# Altium PCB MB1312.PcbDoc (part 3 of 4) (continued)
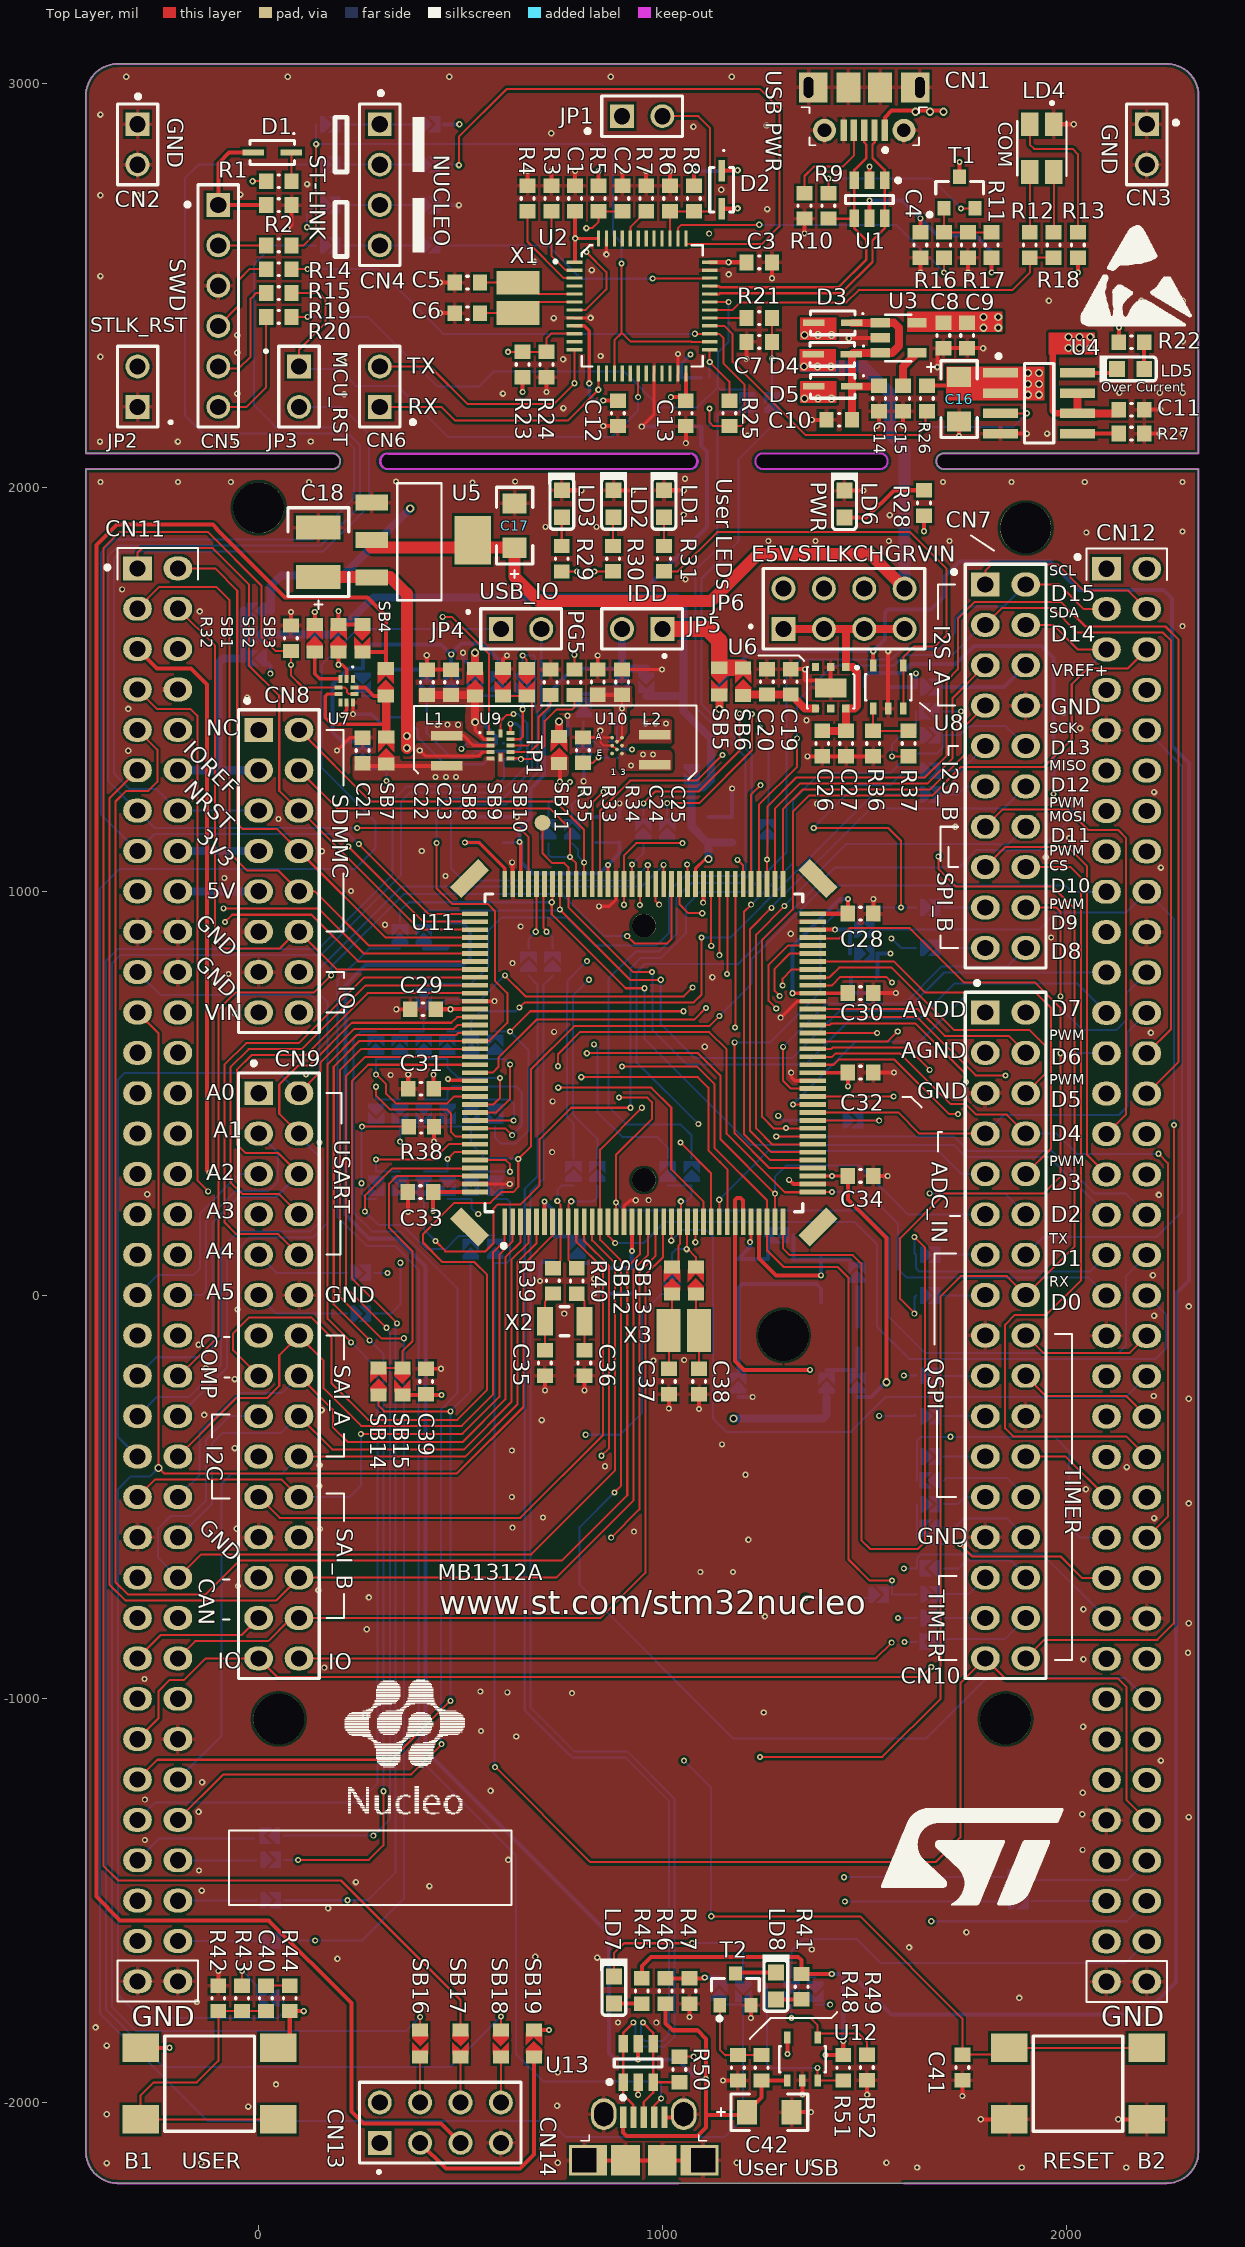
[diagram p0: Top Layer view]
## Nets (pads, with @x,y where several pads share a name; then routed paths per layer and width w, separated by ;. In a path a pad name is that pad's centre, name@x,y a point inside that pad or via, vN(x,y) a via of type N, cw(c..) or ccw(c..) an arc to the next point about the centre after c; other vN are vias at no path point) (continued)
PC11: CN8.8 CN11.2 U11.112 | length 1452.5
  Top Layer w5: CN11.2@-200,1800 -108,1800 -53,1745 -53,1168 -39,1154 46,1154 CN8.8@100,1100 314.57,885.43 U11.112@535.69,885.43
PC12: CN8.10 CN11.3 U11.113 | length 1592.7
  Top Layer w5: CN11.3@-300,1700 -246,1754 -105,1754 -72,1721 -72,1095 -29,1052 48,1052 CN8.10@100,1000 139,1000 273.25,865.75 U11.113@535.69,865.75
PC13: CN11.23 SB197.1 U11.7 | length 4466.9
  Top Layer w5: CN11.23@-300,700 -248,648 v3(-248,-428) -234,-442 -223.34,-442 ; -223.31,-442.03 -176.69,-442.03 ; -176.66,-442 -23.34,-442 ; -23.31,-442.03 23.31,-442.03 ; 23.34,-442 63.21,-442 ; 63.24,-442.03 491.18,-442.03 656,-277.21 656,75 727.62,146.62 U11.7@727.62,181.69
  Bottom Layer w5: v3(-248,-428) -269,-449 -317,-449 -348.46,-480.46 -348.46,-1733.54 -291,-1791 47,-1791 61.75,-1776.25 SB197.1@61.75,-1741
PC14: R39.2 SB145.1 U11.8 | length 248.7
  Top Layer w5: R39.2@729,66.75 748.12,85.87 748.12,180.88 U11.8@747.31,181.69 747.31,224.63 v2@740,231.94
  Bottom Layer w5: v2(740,233) 740,261 750.25,271.25 SB145.1@780,271.25
PC15: R40.2 SB146.1 U11.9 | length 275.6
  Top Layer w5: v2(774.3,231.94) 766.99,224.63 U11.9@766.99,181.69 766.99,87.5 R40.2@788,66.5
  Bottom Layer w5: v2(774.3,231.94) 829.44,231.94 839,241.5 SB146.1@839,271.25
PD0: CN9.25 CN11.57 U11.114 | length 3464.1
  Top Layer w5: v1(-86.94,957.97) 148.03,957.97 259.94,846.06 U11.114@535.69,846.06
  Signal w5: v1(-86.94,957.97) -209.96,957.97 -251,916.93 -251,765 -266.5,749.5 -340.3,749.5 -397.95,691.85 -397.95,-964.05 -362,-1000 CN11.57@-300,-1000 -248,-948 -248,-873 -228,-853 -132,-853 -99,-820 -99,-738.21 -60.79,-700 CN9.25@0,-700
PD1: CN9.27 CN11.55 U11.115 | length 3119.9
  Top Layer w5: CN11.55@-300,-900 -242.03,-842.03 -42.03,-842.03 CN9.27@0,-800 ; v1@-84,924 v1(-83.46,924) -65.44,942.03 130.97,942.03 246.62,826.38 U11.115@535.69,826.38
  Signal w5: CN11.55@-300,-900 -348.03,-900 -382.95,-865.07 -382.95,603.6 -329.53,657.03 -170.97,657.03 -141,687 -141,866.46 v1(-83.46,924)
PD2: CN8.12 CN11.4 U11.116 | length 1567.6
  Top Layer w5: CN11.4@-200,1700 -108,1608 -108,879 -86.97,857.97 51.59,857.97 93.62,900 CN8.12@100,900 193.31,806.69 U11.116@535.69,806.69
PD3: CN9.10 CN11.40 U11.117 | length 1778.4
  Top Layer w5: CN9.10@100,100 49,151 -54.97,151 -85,181.03 -85,570.46 -31.24,624.22 99.13,624.22 261.92,787.01 U11.117@535.69,787.01
  Signal w5: CN11.40@-200,-100 -94,6 -94,77 -28.03,142.97 57.03,142.97 CN9.10@100,100
PD4: CN9.8 CN11.39 U11.118 | length 1742.5
  Top Layer w5: CN9.8@100,200 49.5,250.5 -40.55,250.5 -70,279.95 -70,564.24 -25.03,609.22 107.22,609.22 265.32,767.32 U11.118@535.69,767.32
  Signal w5: CN11.39@-300,-100 -251,-51 -251,19 -224,46 -155,46 -43.03,157.97 57.97,157.97 CN9.8@100,200
PD5: CN9.6 CN11.41 U11.119 | length 1826.6
  Top Layer w5: CN9.6@100,300 48,352 -33,352 -54,373 -54,558 -17.78,594.22 116.71,594.22 270.13,747.64 U11.119@535.69,747.64
  Bottom Layer w5: CN11.41@-300,-200 -254,-154 -137,-154 -114,-131 -114,179.79 -50.81,242.97 42.97,242.97 CN9.6@100,300
PD6: CN9.4 CN11.43 U11.122 | length 1757.7
  Top Layer w5: CN9.4@100,400 51,449 51,521.63 98,568.63 125.2,568.63 231.1,674.53 477.52,674.53 491.57,688.58 U11.122@535.69,688.58
  Bottom Layer w5: CN11.43@-300,-300 -253,-253 -172.66,-253 -92.9,-173.24 -92.9,114.76 -49.68,157.97 128.32,157.97 154.19,183.85 154.19,338.81 100,393 CN9.4@100,400
PD7: CN9.2 CN11.45 U11.123 | length 1947.8
  Top Layer w5: CN9.2@100,500 153,553 153,575.21 237.31,659.53 483.73,659.53 493.1,668.9 U11.123@535.69,668.9
  Bottom Layer w5: CN11.45@-300,-400 -348.46,-351.54 -348.46,533.54 -332.5,549.5 50.5,549.5 CN9.2@100,500
PD8: CN10.14 CN12.10 U11.77 | length 2978.8
  Top Layer w5: U11.77@1219.75,1018.31 1220,1018.56 1220,1240 v1(1243,1263)
  Signal w5: v1(1243,1263) 1607,1263 1760.9,1416.9 1970.76,1416.9 2032.66,1355 2156,1355 CN12.10@2200,1399
  Bottom Layer w5: CN10.14@1900,100 1944.1,144.1 2225.03,144.1 2287,206.07 2287,1310.44 2200,1397.44 CN12.10@2200,1399
PD9: CN10.16 CN11.69 U11.78 | length 5643.9
  Top Layer w5: v1(1186,1078) 1200.06,1063.94 U11.78@1200.06,1018.31 ; v1(1242,-1144) 1545,-1144 1689,-1000 1689,-3 1739,47 1853,47 CN10.16@1900,0 2021,121 2021,957 1966,1012 1727,1012 1683.5,1055.5 v1(1683.5,1086.5)
  Signal w5: CN11.69@-300,-1600 -253,-1553 -253,-1273 -229,-1249 1137,-1249 v1(1242,-1144) ; v1(1186,1078) 1208,1100 1670,1100 v1(1683.5,1086.5)
PD10: CN12.65 U11.79 | length 3263.2
  Top Layer w5: v1(1180,663) 1181,664 1181,1017.69 U11.79@1180.38,1018.31
  Signal w5: v1(1180,663) 1208,635 1480,635 1501,614 1501,-1319 1583,-1401 CN12.65@2100,-1401
PD11: CN12.45 U11.80 | length 2278.2
  Top Layer w5: v1(1160,795) 1161,796 1161,1018 U11.80@1160.69,1018.31
  Signal w5: v1(1160,795) 1161,796 1725.79,796 1749.79,772 1982.28,772 2006,748.28 2006,536.43 2014,528.43 2014,-315 CN12.45@2100,-401
PD12: CN12.43 U11.81 | length 2188.8
  Top Layer w5: v1@1141,838.02 v1(1141,842) ; v1@1141.01,838.01 U11.81@1141.01,1018.31
  Signal w5: v1(1141,842) 1502.79,842 1533.79,811 1732,811 1756,787 1988.5,787 2021,754.5 2021,542.64 2029,534.64 2029,-230 CN12.43@2100,-301
PD13: CN12.41 U11.82 | length 2106.5
  Top Layer w5: v1(1121,865) 1121,1017.98 U11.82@1121.32,1018.31
  Signal w5: v1(1121,865) 1501,865 1540,826 1741.79,826 1765.79,802 2006,802 2036.8,771.2 2036.8,548.05 2047,537.85 2047,-148 CN12.41@2100,-201
PD14: CN7.16 CN12.46 U11.85 | length 3064.1
  Top Layer w5: v1(1061.5,1066.29) 1062.27,1065.52 U11.85@1062.27,1018.31 ; CN7.16@1900,1060 2011.07,1060 2037.07,1034 2037.07,37.07 1951,-49 1873,-49 1849,-73 1849,-330 1869,-350 2149,-350 CN12.46@2200,-401
  Signal w5: v1(1061.5,1066.29) 1126.22,1131 1633,1131 1707,1205 1830.03,1205 1850,1185.03 1850,1110 CN7.16@1900,1060
PD15: CN7.18 CN12.48 U11.86 | length 2667.5
  Top Layer w5: U11.86@1042.58,1018.31 1042.58,967.42 1064,946 v2(1098.94,946) ; CN7.18@1900,960 1976,960 1986,950 v1(1986,740) v1@1989,737
  Signal w5: v2(1098.94,946) 1119.24,946 1175.27,1002.03 1857.97,1002.03 CN7.18@1900,960 CN7.18@1902.5,957.5 ; v1(1986,740) 1952,706 1952,569.21 1999,522.21 1999,-348.23 2044,-393.23 2044,-420 2070.41,-446.41 2142.97,-446.41 2197.56,-501 CN12.48@2200,-501
PE0: CN10.33 CN12.64 SB187.2 SB190.1 | length 3947.6
  Top Layer w5: v1@585.8,-1168.8 821.4,-1404.4 1676.6,-1404.4 1738,-1343 1738,-962 CN10.33@1800,-900 1850,-950 2129,-950 2150,-971 2150,-1251 CN12.64@2200,-1301
  Bottom Layer w5: v1(585.3,-1169.3) 584,-1168 584,79.5 614.5,79.5 622,87 622,231.44 615.44,238 SB187.2@586,238
PE1: CN11.61 SB14.1 SB189.1 | length 2170.5
  Top Layer w5: CN11.61@-300,-1200 -251,-1151 329,-1151 v1(475,-1005) ; SB14.1@297,-247.75 297,-274 311,-288 v1(475,-288)
  Bottom Layer w5: v1(475,-1005) v1(475,-288) 525,-238 SB189.1@525,79
PE2: CN9.14 CN11.46 U11.1 | length 1555.5
  Top Layer w5: CN11.46@-200,-400 -55,-255 21,-255 51,-225 51,-149 CN9.14@100,-100 100,-102.02 161,-163.02 161,-231 254,-324 503.14,-324 581,-246.14 581,106.07 609.51,134.58 U11.1@609.51,181.69
PE3: CN9.22 CN11.47 U11.2 | length 1578.6
  Top Layer w5: CN11.47@-300,-500 -257,-457 -229.55,-457 ; -229.53,-457.03 -170.47,-457.03 ; -170.45,-457 -29.55,-457 ; -29.53,-457.03 29.53,-457.03 ; 29.55,-457 57,-457 CN9.22@100,-500 ; v1(253,-344) 504.36,-344 596,-252.36 596,99.85 629.2,133.05 U11.2@629.2,181.69
  Signal w5: CN9.22@80.34,-500 CN9.22@100,-500
  Bottom Layer w5: CN9.22@100,-501.9 CN9.22@100,-500 225,-500 253,-472 v1(253,-344)
PE4: CN9.16 CN11.48 U11.3 | length 1589.5
  Top Layer w5: CN9.16@100,-200 184,-284 184,-327 221,-364 505.57,-364 611,-258.57 611,93.64 648.88,131.52 U11.3@648.88,181.69
  Bottom Layer w5: CN11.48@-200,-500 -146,-446 -146,-341.03 -47,-242.03 57.97,-242.03 CN9.16@100,-200
PE5: CN9.18 CN11.50 U11.4 | length 1584.5
  Top Layer w5: CN9.18@100,-300 182,-382 508.78,-382 626,-264.78 626,87.43 668.57,129.99 U11.4@668.57,181.69
  Bottom Layer w5: CN11.50@-200,-600 -198.44,-600 -116,-517.56 -116,-368.03 -90,-342.03 54.87,-342.03 96.9,-300 CN9.18@100,-300
PE6: CN9.20 CN11.62 U11.5 | length 2063.6
  Top Layer w5: CN9.20@100,-400 512,-400 641,-271 641,81.21 688.25,128.47 U11.5@688.25,181.69
  Bottom Layer w5: CN11.62@-200,-1200 -92,-1092 -92,-468.03 -66.94,-442.97 57.03,-442.97 CN9.20@100,-400
PE7: CN10.20 CN12.44 U11.58 | length 1634.2
  Top Layer w5: U11.58@1372.31,668.9 1372.31,669 1415,669 1419,673 1626,673 1752,547 v1(1752,528) ; CN10.20@1900,-200 1950,-250 2149,-250 CN12.44@2200,-301
  Signal w5: v1(1752,528) 1752,-138 1764,-150 1850,-150 CN10.20@1900,-200
PE8: CN10.18 CN12.40 U11.59 | length 1537.5
  Top Layer w5: U11.59@1372.31,688.58 1631.63,688.58 1776.21,544 v1(1850,544) ; CN10.18@1900,-100 1943.03,-143.03 2157.97,-143.03 CN12.40@2200,-101
  Signal w5: v1(1850,544) 1850,-50 CN10.18@1900,-100
PE9: CN10.4 CN12.52 U11.60 | length 2051.7
  Top Layer w5: U11.60@1372.31,708.27 1633.16,708.27 1699.43,642 1776.66,642 ; 1776.69,642.03 1857.97,642.03 CN10.4@1900,600
  Signal w5: CN10.4@1900,600 1984,516 1984,-354.44 2028,-398.44 2028,-621 2058,-651 2150,-651 CN12.52@2200,-701
PE10: CN10.24 CN12.47 U11.63 | length 1881
  Top Layer w5: U11.63@1372.31,767.32 1420.32,767.32 1441,788 1554.75,788 v1(1568.75,774) ; CN10.24@1900,-400 1999,-400 CN12.47@2100,-501
  Signal w5: v1(1568.75,774) 1669,774 1712,731 1712,190.35 1720,182.35 1720,-319.66 1758.32,-357.97 1857.97,-357.97 CN10.24@1900,-400
PE11: CN10.6 CN12.56 U11.64 | length 2374.4
  Top Layer w5: U11.64@1372.31,787.01 1414.01,787.01 1438,811 1568,811 1721.97,657.03 1908.31,657.03 1947.93,617.41 1947.93,614.07 1948,614 1948,548 CN10.6@1900,500
  Signal w5: CN10.6@1900,500 1969,431 1969,-361.23 1969.57,-361.23 2013,-404.66 2013,-792 2067.97,-846.97 2145.97,-846.97 CN12.56@2200,-901
PE12: CN12.49 SB168.1 SB169.2 U11.65 | length 2650
  Top Layer w5: v1(1298,767) 1298,783.8 1320.9,806.69 U11.65@1372.31,806.69
  Signal w5: v1@1299,768 1525.21,768 1580.33,712.89 1583.86,712.89 1629.82,758.85 1633.36,758.85 1647.5,744.71 1647.5,741.17 1601.54,695.21 1601.54,691.67 1615.68,677.53 1619.22,677.53 1665.18,723.49 1668.72,723.49 1682.86,709.35 1682.86,705.81 1636.9,659.85 1636.9,656.32 1651.04,642.18 1654.57,642.18 1679.32,666.92 1682.86,666.92 1697,652.78 1697,649.25 1672.25,624.5 1672.25,620.96 1697,596.21 1697,184.14 1704,177.14 1704,-341 v1(1714,-351)
  Bottom Layer w5: SB169.2@1630.25,-459 SB168.1@1630.25,-400 1630.25,-361.78 1640.6,-351.43 1971.43,-351.43 2007,-387 2007,-573 2035,-601 CN12.49@2100,-601
PE13: CN10.10 CN12.55 U11.66 | length 2359.4
  Top Layer w5: U11.66@1372.31,826.38 1372.31,826 1574.21,826 1651.21,749 1925,749 1963,711 1963,363 CN10.10@1900,300
  Signal w5: CN10.10@1900,300 1954,246 1954,-367.45 1984,-397.45 1984,-784.21 2042.39,-842.61 ; 2042,-843 CN12.55@2100,-901
PE14: CN12.51 SB170.1 SB177.2 U11.67 | length 2462.2
  Top Layer w5: v1(1290.53,741) 1278,753.53 1278,808.05 1316.02,846.06 U11.67@1372.31,846.06 ; v1(1737,-617) 1767.47,-647.47 1986.47,-647.47 2040,-701 CN12.51@2100,-701
  Signal w5: v1(1290.53,741) 1303.89,727.64 1544.36,727.64 1682,590 1682,177.92 1689,170.92 1689,-569 v1(1737,-617)
  Bottom Layer w5: SB170.1@1630.25,-518 SB177.2@1630.25,-577 1630.25,-604.25 1643,-617 v1(1737,-617)
PE15: CN12.53 SB157.1 SB180.2 U11.68 | length 2530.1
  Top Layer w5: v1(1282,710) 1263,729 1263,817.75 1311,865.75 U11.68@1372.31,865.75
  Signal w5: v1(1282,710) 1519,710 1552,677 1552,475.56 1598,429.56 v1(1598,-199) v1(1598,-677)
  Bottom Layer w5: v1(1598,-677) SB180.2@1630.5,-677 1630.5,-652.5 1640.03,-642.97 1941.97,-642.97 CN12.53@2100,-801 ; v1(1598,-199) 1629.25,-199 SB157.1@1630.25,-200
PF0: CN9.21 CN11.53 U11.10 | length 2025.5
  Top Layer w5: CN9.21@0,-500 52,-552 648,-552 853,-347 853,66.01 786.68,132.33 U11.10@786.68,181.69
  Signal w5: CN11.53@-300,-800 -248,-748 -167,-748 -145,-726 -145,-579.9 -65.1,-500 CN9.21@0,-500
PF1: CN9.19 CN11.51 U11.11 | length 2068.7
  Top Layer w5: U11.11@806.36,181.69 806.36,133.86 868,72.22 868,-379 v1(849,-398)
  Signal w5: CN11.51@-300,-700 -347.93,-652.07 -347.93,-575.1 -320.52,-547.69 -147.69,-547.69 CN9.19@0,-400 49,-449 798,-449 v1(849,-398)
PF2: CN9.17 CN11.52 U11.12 | length 2427.8
  Top Layer w5: CN11.52@-200,-700 -142.03,-642.03 675.32,-642.03 883,-434.34 883,78.44 826.05,135.39 U11.12@826.05,181.69
  Bottom Layer w5: CN11.52@-200,-700 -249,-651 -249,-578.38 -218.31,-547.69 -168.9,-547.69 -131,-509.79 -131,-358 -73,-300 CN9.17@0,-300
PF3: CN8.14 CN12.58 U11.13 | length 4001.6
  Top Layer w5: v1(881.1,-489) 898,-472.1 898,84.65 845.73,136.92 U11.13@845.73,181.69 845.73,360.45 949,463.72 v1(949,464)
  Signal w5: CN8.14@100,800 108,800 139,769 773.43,769 948.98,593.45 948.98,464.02 v1@949,462
  Bottom Layer w5: v1(881.1,-489) 795,-575.1 795,-718 1175,-1098 1654,-1098 1804,-948 2147,-948 CN12.58@2200,-1001
PF4: CN12.38 U11.14 | length 1868.2
  Top Layer w5: U11.14@865.42,181.69 865.42,146.58 v1(883,129)
  Bottom Layer w5: v1(883,129) 954,129 1006,181 1476.25,181 1532,125.25 1532,-79 1611,-158 1776.66,-158 ; 1776.69,-157.97 1823.31,-157.97 ; 1823.34,-158 1876.66,-158 ; 1876.69,-157.97 1923.31,-157.97 1923.37,-158.03 2221.97,-158.03 2247.93,-132.07 2247.93,-48.93 CN12.38@2200,-1
PF5: CN8.16 CN12.36 U11.15 | length 3153
  Top Layer w5: U11.15@885.1,181.69 v1(885.1,229.39) 885.1,347.1 974,436 974,477.64 962.54,489.1 v1(892.8,489.1)
  Signal w5: CN8.16@100,700 249.9,700 270.9,679 821,679 879,621 879,503.73 892.8,489.93 v1(892.8,489.1)
  Bottom Layer w5: v1(885.1,229.39) 905.39,209.1 995.83,209.1 996.03,208.9 1493.76,208.9 1561.8,140.86 1561.8,-55.14 1649.63,-142.97 1929.53,-142.97 1929.58,-143.03 2129.97,-143.03 2148.62,-124.38 2148.62,47.62 CN12.36@2200,99
PF6: CN11.9 U11.18 | length 4279.5
  Top Layer w5: CN11.9@-300,1400 -251,1351 -251,1271 -273,1249 -328,1249 -354.5,1222.5 -354.5,-710.84 -323.31,-742.03 -276.69,-742.03 ; -276.66,-742 -223.34,-742 ; -223.31,-742.03 -132.03,-742.03 -47.03,-657.03 668.96,-657.03 669.03,-657.1 751.9,-657.1 913,-496 913,69.24 944.47,100.72 944.47,181.38 U11.18@944.16,181.69
PF7: CN9.26 CN11.11 U11.19 | length 4168.3
  Top Layer w5: CN11.11@-300,1300 -369.5,1230.5 -369.5,-717.05 -329.53,-757.03 -270.47,-757.03 ; -270.45,-757 -229.55,-757 ; -229.53,-757.03 42.97,-757.03 CN9.26@100,-700 737.25,-700 928,-509.25 928,63.03 963.84,98.87 U11.19@963.84,181.69
PF8: CN9.24 CN11.54 U11.20 | length 2023.3
  Top Layer w5: v1(873.1,-600.9) 943,-531 943,56.82 983.53,97.34 U11.20@983.53,181.69
  Signal w5: CN11.54@-200,-800 -158,-800 -123.55,-765.55 -123.55,-700.55 -73,-650 50,-650 CN9.24@100,-600 100,-600.9 v1(873.1,-600.9)
PF9: CN9.28 CN11.56 U11.21 | length 2134.2
  Top Layer w5: CN11.56@-200,-900 -157.03,-857.03 23.31,-857.03 75.48,-804.86 95.14,-804.86 CN9.28@100,-800 846,-800 958,-688 958,50.6 1001.5,94.1 1001.5,179.98 U11.21@1003.21,181.69
PF10: CN12.42 U11.22 | length 1764.5
  Top Layer w5: v2@1022.9,134 U11.22@1022.9,181.69
  Bottom Layer w5: v2(1022,135) 1048,161 1109,161 1125,145 1125,-305.21 1158.79,-339 1467,-339 1554,-252 2149,-252 CN12.42@2200,-201 ; v2@1022.9,134 v2@1022.95,134.05
PF11: CN12.62 U11.49 | length 2411.2
  Top Layer w5: U11.49@1372.31,491.73 1372.57,492 v1(1573,492)
  Signal w5: v1(1573,492) 1622,443 1622,174.28 1644,152.28 1644,-1084.9 1718.1,-1159 2076.66,-1159 ; 2076.69,-1158.97 2123.31,-1158.97 ; 2123.34,-1159 2158,-1159 CN12.62@2200,-1201
PF12: CN7.20 CN12.59 U11.50 | length 3263.3
  Top Layer w5: v1(1299.28,615) 1298.5,614.22 1298.5,531.5 1318.58,511.42 U11.50@1372.31,511.42
  Signal w5: CN7.20@1900,860 1900,855.1 2123.9,855.1 2152.07,826.93 2152.07,-334.07 2168,-350 2234,-350 2259,-375 2259,-1026 2230,-1055 2146,-1055 CN12.59@2100,-1101
  Bottom Layer w5: v1(1299.28,615) 1406.28,722 1600,722 1692,814 1855,814 1855,815 CN7.20@1900,860
PF13: CN10.2 CN12.57 U11.53 | length 2573.1
  Top Layer w5: U11.53@1372.31,570.47 1423.9,570.47 1436.61,583.19 1574.97,583.19 1710.16,448 v1(1732,448)
  Signal w5: CN10.2@1900,700 1857.97,742.03 1754.03,742.03 1732,720 v1(1732,448) 1735,445 1735,-313.44 1763.58,-342.03 1907.37,-342.03 1969,-403.66 1969,-861.03 2100,-992.03 CN12.57@2100,-1001
PF14: CN10.8 CN12.50 U11.54 | length 1944.9
  Top Layer w5: U11.54@1372.31,590.16 1420.36,590.16 1428.39,598.19 1588.76,598.19 1713.94,473 1751.36,473 1777.36,447 1853,447 CN10.8@1900,400 ; CN12.50@2200,-601 2252,-549 2252,327 v1(2229,350)
  Bottom Layer w5: CN10.8@1900,400 1977,400 2027,350 v1(2229,350)
PF15: CN10.12 CN12.60 U11.55 | length 2756.4
  Top Layer w5: U11.55@1372.31,609.84 1418.83,609.84 1422.18,613.19 1606.81,613.19 v1(1662,558) ; CN12.60@2200,-1101 CN12.60@2202.44,-1101
  Signal w5: v1(1662,558) v1(1662,252) 1662,176.71 1674,164.71 1674,-593 1728,-647 1925,-647 1954,-676 1954,-1107 1991,-1144 2070.45,-1144 ; 2070.47,-1143.97 2129.53,-1143.97 ; 2129.55,-1144 2157,-1144 CN12.60@2200,-1101
  Bottom Layer w5: v1(1662,252) 1848,252 CN10.12@1900,200
PG0: CN9.29 CN11.59 U11.56 | length 3950.6
  Top Layer w5: CN11.59@-300,-1100 -248,-1048 -248,-981 -221,-954 -185.07,-954 -131.07,-900 CN9.29@0,-900 46,-946 1641,-946 v1(1666,-921) ; U11.56@1373.44,628.4 1558.4,628.4 v1(1583,653) v1@1583,658
  Signal w5: v1(1583,653) 1642,594 1642,175.5 1659,158.5 1659,-602 1666,-609 v1(1666,-921)
PG1: CN9.30 CN11.58 U11.57 | length 3601.7
  Top Layer w5: CN9.30@100,-900 1529,-900 v1(1568,-861) ; U11.57@1372.31,649.21 v1@1532,649.21
  Signal w5: CN11.58@-200,-1000 -199,-1000 -50,-851 51,-851 CN9.30@100,-900 CN9.30@112,-888 ; v1(1532,649) 1532,471 1578,425 1578,-685.28 1609,-716.28 1609,-820 v1(1568,-861)
PG2: CN11.42 U11.87 | length 2396.8
  Top Layer w5: CN11.42@-200,-200 -197.01,-200 -100,-102.99 -100,707 -57,750 137.52,750 v1(179.62,792.1) ; v1(913,889) 931,871 1011.79,871 1022.9,882.11 U11.87@1022.9,1018.31
  Bottom Layer w5: v1@180.9,792.1 v1(179.62,792.1) 181,793.48 181,815 359,993 752,993 856,889 v1(913,889)
PG3: CN11.44 U11.88 | length 2370.1
  Top Layer w5: v1(1003.21,1065.78) U11.88@1003.21,1018.31 U11.88@1004,1019.09
  Bottom Layer w5: CN11.44@-200,-300 -198.44,-300 -77.9,-179.46 -77.9,87.44 -23.31,142.03 133.58,142.03 171,179.44 171,725 152,744 152,810 354,1012 949.43,1012 v1(1003.21,1065.78)
PG4: CN12.69 U11.89 | length 3490.8
  Top Layer w5: U11.89@983.53,1018.31 983.53,975.47 v1(992,967)
  Signal w5: v1(992,967) 1017,942 1017,652.56 1098.56,571 1367,571 1471,467 1471,-1401.79 1670.21,-1601 CN12.69@2100,-1601
PG5: CN12.68 JP4.2 U11.90 | length 4985.9
  Top Layer w5: v1(963.84,1065.16) U11.90@963.84,1018.31 U11.90@964.16,1017.99
  Signal w5: v1(963.84,1065.16) 1032,997 1032,658.77 1104.77,586 1443,586 1486,543 1486,-1395.57 1641.43,-1551 v1(1666,-1551)
  Bottom Layer w5: JP4.2@700,1650 700,1454 691,1445 691,1294.35 611.65,1215 505,1215 476,1186 476,1057 506,1027 925.69,1027 v1(963.84,1065.16) ; v1(1666,-1551) 2150,-1551 CN12.68@2200,-1501
PG6: CN12.70 SB200.1 SB201.1 U11.91 | length 4787.5
  Top Layer w5: v1(944.16,966.16) U11.91@944.16,1018.31
  Signal w5: v1(944.16,966.16) 893,915 893,718.43 1085.43,526 1387,526 1456,457 1456,-1408 1699,-1651 2150,-1651 CN12.70@2200,-1601
  Bottom Layer w5: SB201.1@1379,-1690.25 SB200.1@1320,-1690.25 1320,-1623.53 1348.53,-1595 1481,-1595 1541,-1655 2146,-1655 CN12.70@2200,-1601
PG7: SB131.1 SB195.1 U11.92 | length 3511.3
  Top Layer w5: U11.92@924.47,1018.31 v1(924.47,1066.29)
  Signal w5: v1(924.47,1066.29) 863,1004.81 863,706 1076,493 1356,493 1399,450 1399,234 1426,207 1426,-1476 v1(1452,-1502)
  Bottom Layer w5: v1(924.47,1066.29) 953,1094.81 SB131.1@953,1119.25 ; v1(1452,-1502) 1808,-1502 ; 1809,-1501 1808,-1502 ; SB195.1@1847,-1501 1846,-1502 1808,-1502
PG8: SB130.1 SB193.2 U11.93 | length 3548.6
  Top Layer w5: v1(904.79,966.82) U11.93@904.79,1018.31 904.47,1018.62 904.47,1088.47 935.25,1119.25 v1(1050,1119.25)
  Signal w5: v1(904.79,966.82) 878,940.03 878,712.21 1079.21,511 1380.79,511 1441,450.79 1441,-1433 v1(1450,-1442)
  Bottom Layer w5: SB130.1@1012,1119.25 v1(1050,1119.25) ; v1(1450,-1442) SB193.2@1847,-1442
PG9: CN11.63 U11.124 | length 2861
  Top Layer w5: v1(229,-117) 171,-59 171,572 243.53,644.53 490,644.53 494.59,649.11 535.69,649.11 U11.124@535.69,649.21
  Bottom Layer w5: CN11.63@-300,-1300 -257,-1257 247,-1257 294,-1210 294,-182 v1(229,-117)
PG10: CN13.2 SB10.1 SB118.1 SB192.2 U11.125 | length 4738.1
  Top Layer w5: v1(98,-1399) 273,-1399 309,-1363 v1(309,-1229) ; v1@275,-114 v1(275,-112) 186,-23 186,565.79 249.74,629.53 U11.125@535.69,629.53 571.24,629.53 616,674.28 616,748 585,779 585,951.24 567.24,969 479.02,969 441,1007.02 v1(441,1120) ; v1(654,1584.13) 664,1574.13 SB10.1@664,1551.75
  Signal w5: v1(98,-1399) 73,-1424 73,-1773 CN13.2@300,-2000
  Bottom Layer w5: SB192.2@62.5,-1399 v1(98,-1399) ; v1(275,-112) 309,-146 v1(309,-1229) ; v1(441,1120) 441,1205 466,1230 605.43,1230 677,1301.57 677,1448 685,1456 685,1581.06 681.93,1584.13 v1(654,1584.13) SB118.1@654,1552
PG11: CN13.4 SB16.2 SB196.2 U11.126 | length 3468.1
  Top Layer w5: v1(359.53,-107) 304,-107 201,-4 201,557 253.84,609.84 U11.126@535.69,609.84 ; CN13.4@400,-2000 SB16.2@400,-1887.75
  Signal w5: v1(140,-1599) 140,-1740 CN13.4@400,-2000
  Bottom Layer w5: SB196.2@62.5,-1599 v1(140,-1599) 256,-1599 359.53,-1495.47 v1(359.53,-107)
PG12: CN13.8 SB18.2 SB191.1 U11.127 | length 3414.8
  Top Layer w5: v1(316.53,-81) 216,19.53 216,542.3 263.86,590.16 U11.127@535.69,590.16 ; CN13.8@600,-2000 SB18.2@600,-1887.75
  Signal w5: v1(284,-1339) 284,-1694.63 393.37,-1804 404,-1804 CN13.8@600,-2000
  Bottom Layer w5: SB191.1@62.5,-1339 v1(284,-1339) 325,-1298 325,-89.47 v1(316.53,-81)
PG13: CN13.6 SB17.2 SB194.2 U11.128 | length 3366.6
  Top Layer w5: v1(342.94,-69.94) 231,42 231,530 271.47,570.47 U11.128@535.69,570.47 ; CN13.6@500,-2000 SB17.2@500,-1887.75
  Signal w5: v1@218,-1497 v1(220,-1499) 220,-1720 CN13.6@500,-2000
  Bottom Layer w5: SB194.2@62.5,-1499 270,-1499 339.53,-1429.47 339.53,-73.36 v1(342.94,-69.94)
PG14: CN12.61 U11.129 | length 3470.9
  Top Layer w5: U11.129@535.69,550.79 579.79,550.79 594,565 594,587.53 689.47,683 1079.9,683 v1(1107.9,711)
  Signal w5: v1(1107.9,711) 1201,711 1252,660 1485,660 1516,629 1516,-1137 1580.4,-1201.4 2100,-1201.4 CN12.61@2100,-1201
PG15: CN11.64 SB160.2 | length 2705.7
  Top Layer w5: CN11.64@-200,-1300 -87,-1187 378.47,-1187 v1(453,-1112.47)
  Bottom Layer w5: SB160.2@290.53,652.5 252.5,652.5 235,635 235,204 281,158 350.79,158 493,15.79 493,-241.72 452,-282.72 v1@452,-1112.47
PH0: SB12.2 SB147.1 SB148.1 U11.23 | length 296.9
  Top Layer w5: SB12.2@1022.99,66.5 1039.5,83 1039.5,122.49 1043.4,126.39 1043.4,180.88 U11.23@1042.58,181.69 1045.86,184.97 1045.86,231.86 v2(1046,232)
  Bottom Layer w5: SB147.1@1013.7,271.25 SB148.1@1072.7,271.25 1072.7,243.86 1060.84,232 v2(1046,232) 1043.42,232 v2@1043,232.42
PH1: SB13.2 SB156.1 U11.24 | length 195.8
  Top Layer w5: U11.24@1061.45,180.88 1061.45,115.45 1083,93.91 SB13.2@1083,69.75 ; SB13.2@1080.99,67.74 SB13.2@1081.99,66.75
  Bottom Layer w5: SB156.1@1024,69.75 1024,103.96 1034.04,114 v2(1060,114)
PH3-BOOT0: CN11.7 R38.1 SB171.2 SB183.2 | length 2114.5
  Top Layer w5: CN11.7@-300,1500 -252,1452 -169,1452 -152,1435 -152,284 v1(-125,257) ; v1@250.9,417 v1(256,417) R38.1@371.5,417
  Signal w5: v1(-125,257) -124.9,256.9 70.35,256.9 70.47,257.03 229.93,257.03 249.9,277 v1(255,277)
  Bottom Layer w5: v1@250.9,417 v1(256,417) SB171.2@291,417 ; v1@255,410.9 v1(255,277) 255,251 268,238 SB183.2@291,238
STLINK_USB_DM: CN1.2 U1.1 U1.6 U2.32 | length 788.8
  Top Layer w6.1: U2.32@1117.32,2479.53 1140.73,2479.53 1143.07,2481.87 1443.08,2481.87 1520.5,2559.29 1520.5,2611.95 1550.4,2641.85 U1.6@1550.4,2666.76 U1.1@1550.4,2761.24 1550.4,2786.85 1520.5,2816.75 1520.5,2849.76 1525.59,2854.85 CN1.2@1525.59,2885
STLINK_USB_DP: CN1.3 R9.1 U1.3 U1.4 U2.33 | length 828.8
  Top Layer w6.1: U2.33@1117.32,2499.21 1140.73,2499.21 1143.07,2496.87 1436.87,2496.87 1505.5,2565.5 1505.5,2611.95 1475.6,2641.85 U1.4@1475.6,2666.76 ; R9.1@1411,2666.5 1475.35,2666.5 U1.4@1475.6,2666.76 ; CN1.3@1500,2885 1500,2854.85 1505.5,2849.35 1505.5,2816.75 1475.6,2786.85 U1.3@1475.6,2761.24 U1.4@1475.6,2666.76
STM_JTCK: SB103.2 U2.37 | length 1526.7
  Top Layer w5: v2(496,2799) 496,2869 614,2987 1242,2987 1290,2939 1290,2647 1246,2603 1060,2603 1058.27,2604.73 U2.37@1058.27,2617.32
  Bottom Layer w5: SB103.2@457.75,2800 495,2800 v2(496,2799)
STM_JTMS: SB107.2 U2.34 | length 876.6
  Top Layer w5: v1(976,2518) 1116.43,2518 U2.34@1117.32,2518.9
  Bottom Layer w5: SB107.2@457.75,2600 716,2600 798,2518 ; v1(976,2518) 798,2518 ; v1@979.6,2517.6 975.6,2517.6 974.5,2516.5 799.5,2516.5 798,2518
STM_RST: C2.2 JP2.2 R5.1 U2.7 | length 2236.5
  Top Layer w5: U2.7@782.68,2440.1 810.42,2440.1 861.42,2491.1 861.42,2534 v1(812,2583.42) ; v2(812,2643) 826.11,2643 842,2658.89 R5.1@842,2684.5 C2.2@901,2684.5
  Signal w5: JP2.2@-300,2300 -300,2613 52,2965 727.19,2965 812,2880.19 v2(812,2643) v1(812,2583.42)
SWO_MCU: SB108.1 SB141.1 U14.6 | length 2364.4
  Bottom Layer w5: SB141.1@409,770.75 525.65,770.75 568.31,813.41 568.31,902.31 601,935 763,935 832,866 985.57,866 1018.79,899.21 ; 1017,901 1017,1000 1054.83,1037.83 1189.17,1037.83 1206.37,1055.03 1206.37,1332.42 1081.9,1456.89 1081.9,1795.06 1136.84,1850 U14.6@1136.84,2150.98 1136.84,2180.5 1144.34,2188 1198,2188 SB108.1@1210,2176
T_JTCK: R14.2 SB100.1 U2.15 U2.26 | length 1874.1
  Top Layer w5: R14.2@81.5,2600 111.25,2600 142.25,2631 v2(142.25,2851) ; U2.15@881.1,2282.68 881.1,2365.1 899,2383 899,2384 ; v1(899,2555) 899,2384 ; U2.26@1117.32,2361.42 1117.32,2361.1 1072.07,2361.1 1071.75,2361.42 921.58,2361.42 899,2384
  Bottom Layer w5: SB100.1@142.25,2900 v2(142.25,2851) 850,2851 878,2823 878,2626 ; 879,2626 899,2606 v1(899,2555)
T_JTDI: U2.17
T_JTDO: U2.16